# Altium PCB BananaBoard_PCB_4_LAYERS.PcbDoc (part 3 of 3)
Units mil, origin at the board's own origin, x right, y up, seen from the top; angles counter-clockwise.
Board outline 2710.63 x 4110.24 mil, 4 copper layers (ETCH_TOP, ETCH_2_GND, ETCH_3_POWER, ETCH_BOTTOM), stack 63.2 mil thick; 391 components, 164 nets, 1036 pads, 659 vias.
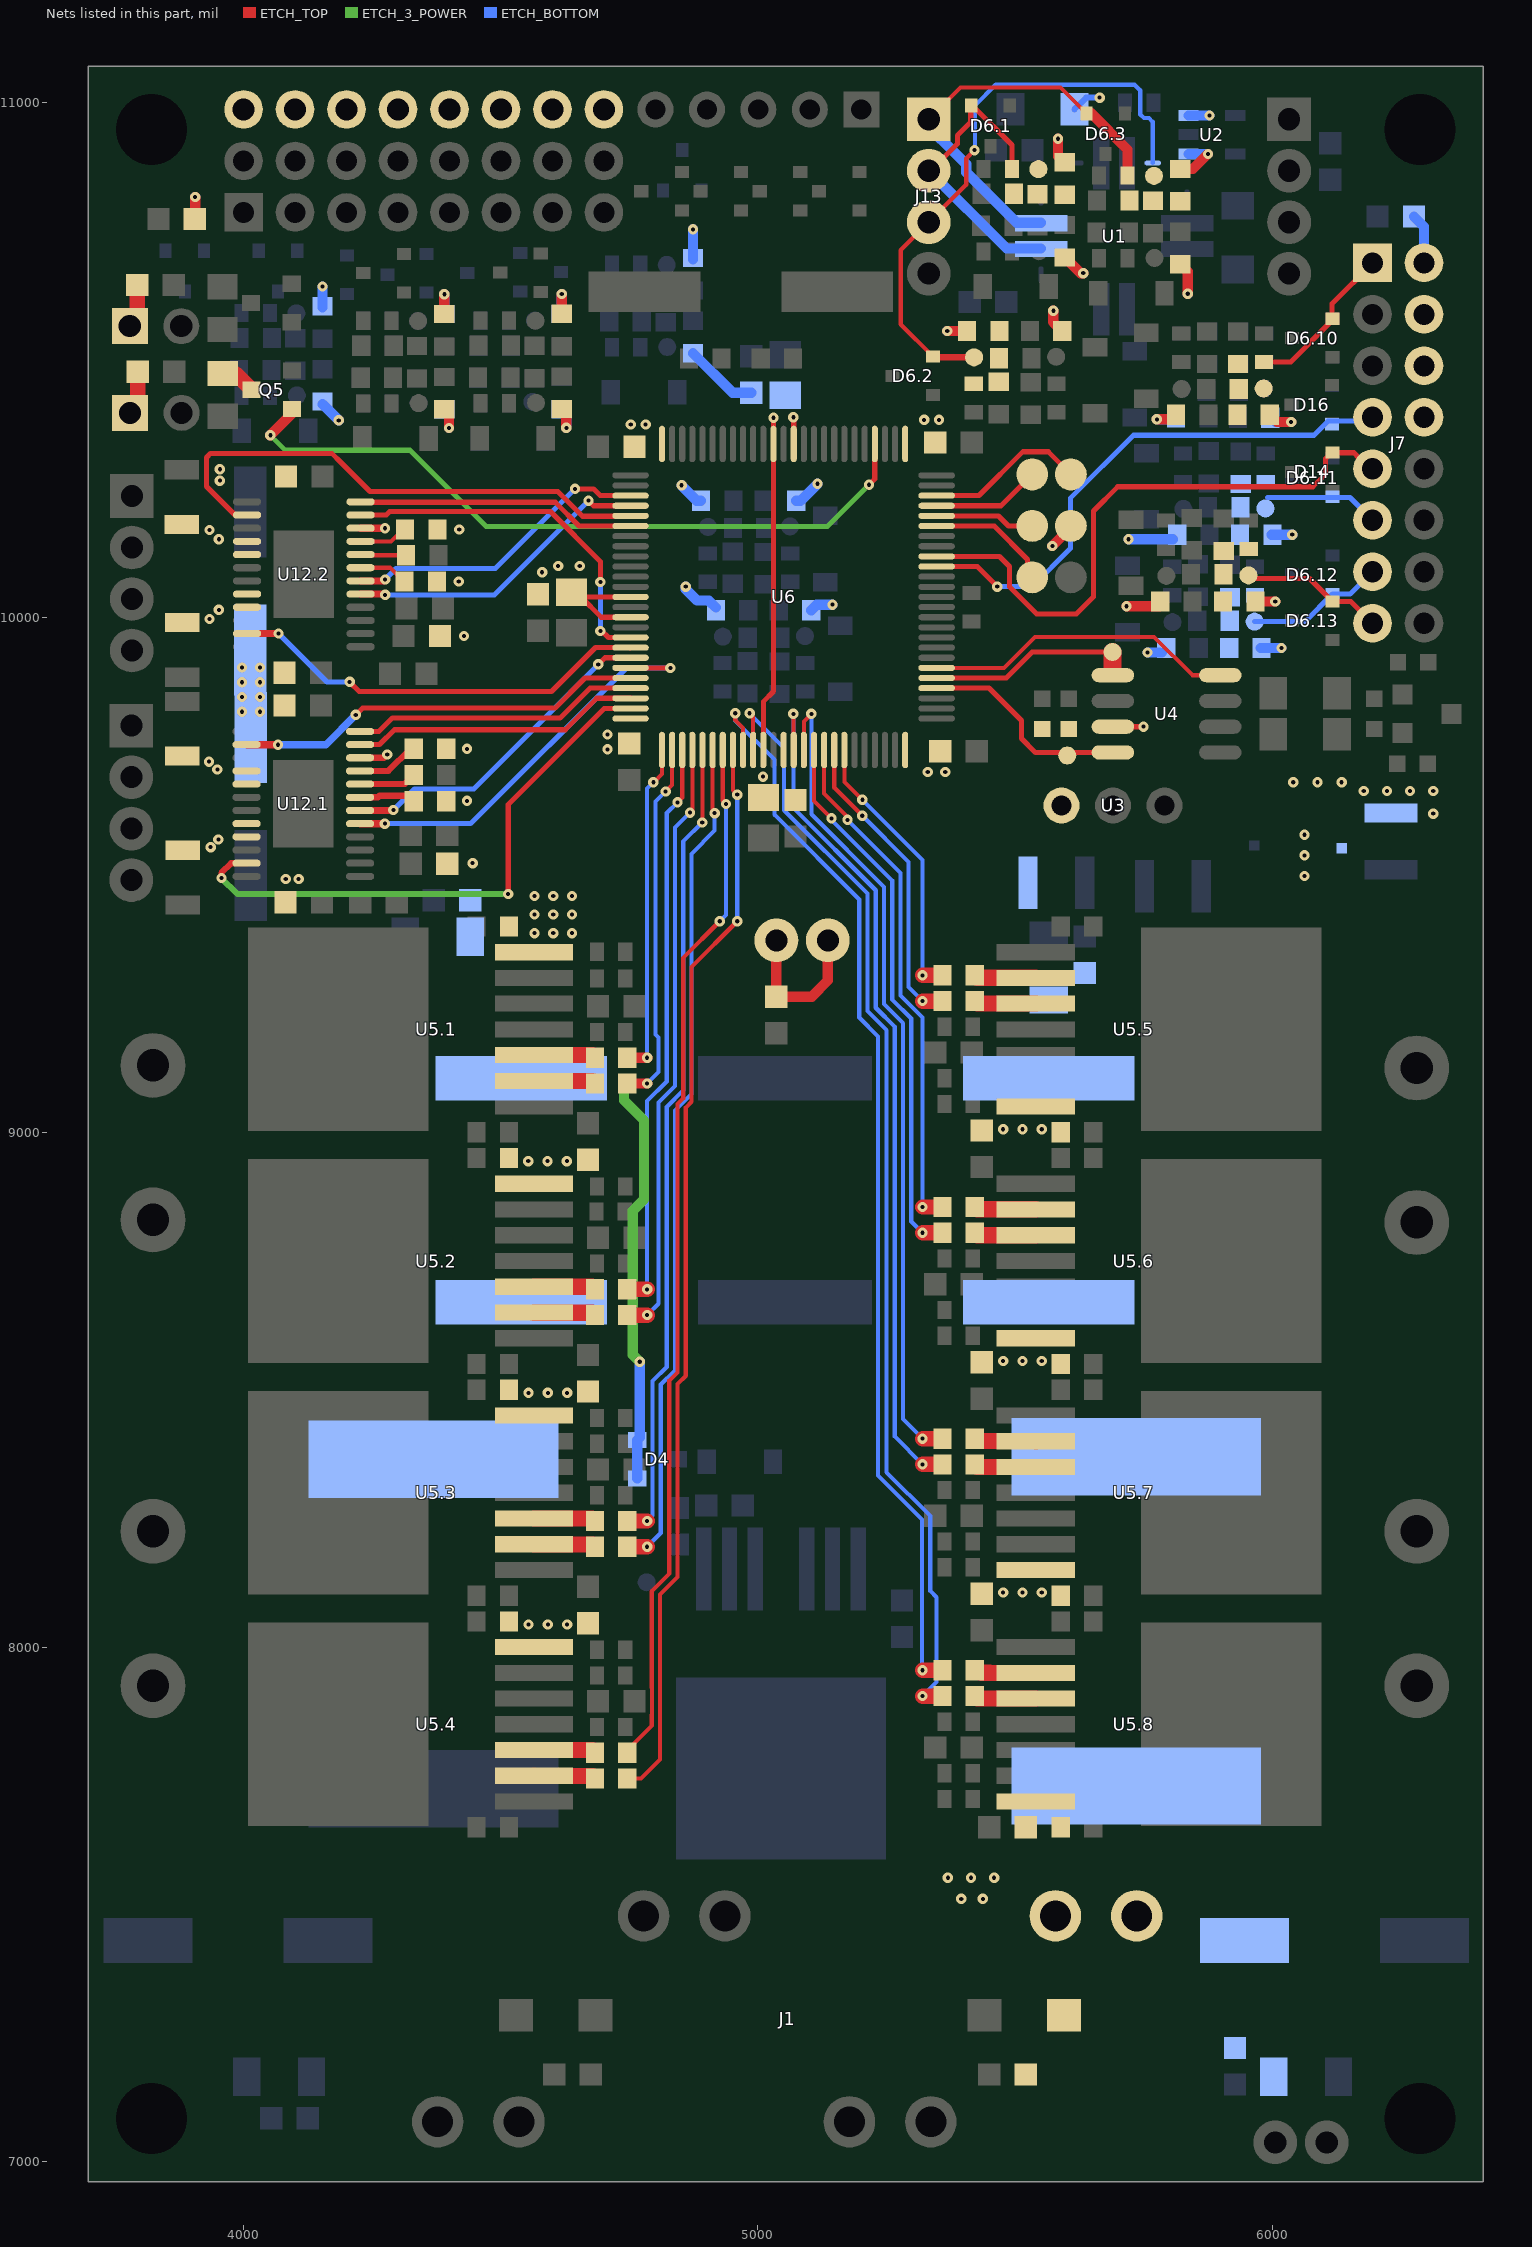
[diagram p5: the nets of this part, all layers, seen from the top]

## Via types
v1: diameter 20, hole 8, ETCH_TOP to ETCH_BOTTOM, 658 vias
v2: diameter 20, hole 8, ETCH_TOP to ETCH_BOTTOM, tented both sides, 1 vias

## Nets (pads, with @x,y where several pads share a name; then routed paths per layer and width w, separated by ;. In a path a pad name is that pad's centre, name@x,y a point inside that pad or via, vN(x,y) a via of type N, cw(c..) or ccw(c..) an arc to the next point about the centre after c; other vN are vias at no path point) (continued)
NetQ5_1: Q5.1 U6.29 | length 1422.3
  ETCH_TOP w10: v1(5216,10258) 5227.17,10269.17 U6.29@5227.17,10337.24
  ETCH_TOP w20: v1(4053,10354) 4095,10396 Q5.1@4095,10405.2
  ETCH_3_POWER w10: v1(4053,10354) 4082,10325 4324.54,10325 4472.54,10177 5135,10177 v1(5216,10258)
NetQ5_3: Q5.3 R15.1 | length 68.6
  ETCH_TOP w30: R15.1@3960.63,10473.94 3984.92,10473.94 Q5.3@4016.26,10442.6
NetR4.1_1: R4.1.1 U5.1.2 | length 113.3
  ETCH_TOP w31.5: U5.1.2@4565.16,9100 R4.1.1@4678.5,9100
NetR4.1_2: R4.1.2 U6.77 | length 711.3
  ETCH_TOP w8: v1(4820.81,9662.19) 4833.46,9674.84 U6.77@4833.46,9742.76
  ETCH_TOP w20: R4.1.2@4746.5,9095 v1(4785,9095)
  ETCH_BOTTOM w8: v1(4785,9095) 4807,9117 4807,9184 4801,9190 4801,9642.37 v1(4820.81,9662.19)
NetR4.2_1: R4.2.1 U5.2.2 | length 114.2
  ETCH_TOP w31.5: U5.2.2@4565.16,8650 4565.16,8649.57 R4.2.1@4678.94,8649.57
NetR4.2_2: R4.2.2 U6.79 | length 1172.6
  ETCH_TOP w8: v1(4868,9621) 4872.83,9625.83 U6.79@4872.83,9742.76
  ETCH_TOP w30: R4.2.2@4746.5,8645 v1(4785,8645)
  ETCH_BOTTOM w8: v1(4785,8645) 4807,8667 4807,9058 4839,9090 4839,9592 v1(4868,9621)
NetR4.3_1: R4.3.1 U5.3.2 | length 114.2
  ETCH_TOP w31.5: U5.3.2@4565.16,8200 4565.16,8199.57 R4.3.1@4678.94,8199.57
NetR4.3_2: R4.3.2 U6.81 | length 1642.7
  ETCH_TOP w8: U6.81@4912.2,9742.76 4912.2,9622.8 4915,9620 v1(4916,9620)
  ETCH_TOP w30: R4.3.2@4746.5,8195 v1(4785,8195)
  ETCH_BOTTOM w8: v1(4785,8195) 4811.35,8221.35 4811.35,8510.03 4839,8537.68 4839,9042.37 4871,9074.37 4871,9541 4916,9586 v1(4916,9620)
NetR4.4_1: R4.4.1 U5.4.2 | length 114.2
  ETCH_TOP w31.5: U5.4.2@4565.16,7750 4565.16,7749.57 R4.4.1@4678.94,7749.57
NetR4.4_2: R4.4.2 U6.83 | length 2105.3
  ETCH_TOP w8: R4.4.2@4746.5,7745 4773,7745 4810.09,7782.09 4810.09,7928.34 4810,7928.42 4810,8102.37 4844,8136.37 4844,8511.22 4860,8527.22 4860,9048.38 4871,9059.38 4871,9321 v1(4960,9410) ; U6.83@4951.57,9742.76 4951.57,9664.43 v1(4960,9656)
  ETCH_BOTTOM w8: v1(4960,9410) v1(4960,9656)
NetR4.5_1: R4.5.1 U5.5.2 | length 114.2
  ETCH_TOP w31.5: R4.5.1@5426.06,9300.43 5539.84,9300.43 U5.5.2@5539.84,9300
NetR4.5_2: R4.5.2 U6.94 | length 539.2
  ETCH_TOP w8: U6.94@5168.11,9742.76 5168.11,9680.89 v1(5203,9646)
  ETCH_TOP w30: v1(5320,9305) R4.5.2@5358.5,9305
  ETCH_BOTTOM w8: v1(5203,9646) 5320,9529 v1(5320,9305)
NetR4.6_1: R4.6.1 U5.6.2 | length 114.2
  ETCH_TOP w31.5: R4.6.1@5426.06,8850.43 5539.84,8850.43 U5.6.2@5539.84,8850
NetR4.6_2: R4.6.2 U6.92 | length 1005.5
  ETCH_TOP w8: U6.92@5128.74,9742.76 5128.74,9658.03 5174,9612.77 v1(5174,9607)
  ETCH_TOP w30: v1(5320,8855) R4.6.2@5358.5,8855
  ETCH_BOTTOM w8: v1(5174,9607) 5277,9504 5277,9266 5320,9223 v1(5320,8855)
NetR4.7_1: R4.7.1 U5.7.2 | length 114.2
  ETCH_TOP w31.5: R4.7.1@5426.06,8400.43 5539.84,8400.43 U5.7.2@5539.84,8400
NetR4.7_2: R4.7.2 U6.90 | length 1612.3
  ETCH_TOP w8: U6.90@5089.37,9742.76 5089.37,9798.37 v1(5104,9813)
  ETCH_TOP w30: v1(5320,8405) R4.7.2@5358.5,8405
  ETCH_BOTTOM w8: v1(5104,9813) 5104,9617.89 5245,9476.89 5245,9249 5282,9212 5282,8443 v1(5320,8405)
NetR4.8_1: R4.8.1 U5.8.2 | length 105.3
  ETCH_TOP w31.5: R4.8.1@5435,7950.43 5450.31,7950.43 5450.31,7950 U5.8.2@5539.84,7950
NetR4.8_2: R4.8.2 U6.84 | length 2125.8
  ETCH_TOP w8: v1(4956,9814) 4956,9801 4971.26,9785.74 U6.84@4971.26,9742.76
  ETCH_TOP w30: v1(5320,7955) R4.8.2@5358.5,7955
  ETCH_BOTTOM w8: v1(4956,9814) 4956,9800 5032,9724 5032,9617 5197,9452 5197,9223 5233.5,9186.5 5233.5,8333.5 5319,8248 5319,7956 v1(5320,7955)
NetR5.1_1: R5.1.1 U5.1.3 | length 113.3
  ETCH_TOP w31.5: U5.1.3@4565.16,9150 R5.1.1@4678.5,9150
NetR5.1_2: R5.1.2 U6.76 | length 648.8
  ETCH_TOP w8: v1(4797,9680) 4798,9680 4813.78,9695.78 U6.76@4813.78,9742.76
  ETCH_TOP w20: R5.1.2@4746.5,9145 v1(4785,9145)
  ETCH_BOTTOM w8: v1(4785,9145) 4785,9668 v1(4797,9680)
NetR5.2_1: R5.2.1 U5.2.3 | length 113.3
  ETCH_TOP w31.5: U5.2.3@4565.16,8700 R5.2.1@4678.5,8700
NetR5.2_2: R5.2.2 U6.78 | length 1114.5
  ETCH_TOP w8: v1(4844,9641) 4853.15,9650.15 U6.78@4853.15,9742.76
  ETCH_TOP w30: R5.2.2@4746.5,8695 v1(4785,8695)
  ETCH_BOTTOM w8: v1(4785,8695) 4785,9061 4823,9099 4823,9620 v1(4844,9641)
NetR5.3_1: R5.3.1 U5.3.3 | length 113.3
  ETCH_TOP w31.5: U5.3.3@4565.16,8250 R5.3.1@4678.5,8250
NetR5.3_2: R5.3.2 U6.80 | length 1580.8
  ETCH_TOP w8: v1(4892,9602) 4892.52,9602.52 U6.80@4892.52,9742.76
  ETCH_TOP w30: R5.3.2@4746.5,8245 v1(4785,8245)
  ETCH_BOTTOM w8: v1(4785,8245) 4795.35,8255.35 4795.35,8516.65 4823,8544.31 4823,9049 4855,9081 4855,9565 v1(4892,9602)
NetR5.4_1: R5.4.1 U5.4.3 | length 113.3
  ETCH_TOP w31.5: U5.4.3@4565.16,7800 R5.4.1@4678.5,7800
NetR5.4_2: R5.4.2 U6.82 | length 2029.7
  ETCH_TOP w8: R5.4.2@4746.5,7795 4746.5,7800.47 4794,7847.97 4794,7868.29 4794.09,7868.38 4794.09,7921.62 4794,7921.71 4794,8109 4828,8143 4828,8517.85 4844,8533.85 4844,9055.01 4855,9066.01 4855,9339 v1(4926,9410) ; U6.82@4931.89,9742.76 4931.89,9644.11 v1(4938,9638)
  ETCH_BOTTOM w8: v1(4926,9410) 4938,9422 v1(4938,9638)
NetR5.5_1: R5.5.1 U5.5.3 | length 113.3
  ETCH_TOP w31.5: R5.5.1@5426.5,9250 U5.5.3@5539.84,9250
NetR5.5_2: R5.5.2 U6.93 | length 597.3
  ETCH_TOP w8: U6.93@5148.43,9742.76 5148.43,9669.46 v1(5202.89,9615)
  ETCH_TOP w30: v1(5320,9255) R5.5.2@5358.5,9255
  ETCH_BOTTOM w8: v1(5202.89,9615) 5293,9524.89 5293,9282 v1(5320,9255)
NetR5.6_1: R5.6.1 U5.6.3 | length 120.4
  ETCH_TOP w31.5: R5.6.1@5421.5,8805 5426.5,8800 U5.6.3@5539.84,8800
NetR5.6_2: R5.6.2 U6.91 | length 1063.6
  ETCH_TOP w8: U6.91@5109.06,9742.76 5109.06,9643.94 v1(5143,9610)
  ETCH_TOP w30: v1(5320,8805) R5.6.2@5358.5,8805
  ETCH_BOTTOM w8: v1(5143,9610) 5143,9606.89 5261,9488.89 5261,9258 5298,9221 5298,8827 v1(5320,8805)
NetR5.7_1: R5.7.1 U5.7.3 | length 113.3
  ETCH_TOP w31.5: R5.7.1@5426.5,8350 U5.7.3@5539.84,8350
NetR5.7_2: R5.7.2 U6.89 | length 1671
  ETCH_TOP w8: v1(5069,9813) 5069,9743.44 U6.89@5069.69,9742.76
  ETCH_TOP w30: v1(5320,8355) R5.7.2@5358.5,8355
  ETCH_BOTTOM w8: v1(5069,9813) 5069,9630.26 5229,9470.26 5229,9242 5266,9205 5266,8409 v1(5320,8355)
NetR5.8_1: R5.8.1 U5.8.3 | length 113.3
  ETCH_TOP w31.5: R5.8.1@5426.5,7900 U5.8.3@5539.84,7900
NetR5.8_2: R5.8.2 U6.85 | length 2183.2
  ETCH_TOP w8: v1(4984,9814) 4990.94,9807.06 U6.85@4990.94,9742.76
  ETCH_TOP w30: v1(5320,7905) R5.8.2@5358.5,7905
  ETCH_BOTTOM w8: v1(4984,9814) 5051,9747 5051,9625.63 5213,9463.63 5213,9235.37 5250,9198.37 5250,8339.63 5335,8254.63 5335,8108.89 5347,8096.89 5347,7932 v1(5320,7905)
NetR23.1_2: R23.1.2 U12.1.7 | length 111
  ETCH_TOP w12: U12.1.7@4227.24,9650.8 4261.85,9650.8 4265.06,9654 4318.5,9654 R23.1.2@4331.5,9641
NetR23.2_2: R23.2.2 U12.2.7 | length 96.4
  ETCH_TOP w8: U12.2.7@4228.24,10096.8 4285.34,10096.8 4312.13,10070 R23.2.2@4313.5,10070
NetR24.1_2: R24.1.2 U12.1.9 | length 122.1
  ETCH_TOP w12: U12.1.9@4227.24,9701.98 4282.28,9701.98 4325.3,9745 R24.1.2@4331.5,9745
NetR24.2_2: R24.2.2 U12.2.9 | length 95.9
  ETCH_TOP w8: U12.2.9@4228.24,10147.98 4287.11,10147.98 ; 4287.29,10147.79 R24.2.2@4313.5,10174
NetR25.1_1: R25.1.1 U12.1.8 | length 111.7
  ETCH_TOP w12: U12.1.8@4227.24,9676.39 4227.24,9676.69 4314.19,9676.69 R25.1.1@4331.5,9694
NetR25.2_1: R25.2.1 U12.2.8 | length 84.9
  ETCH_TOP w8: U12.2.8@4229.62,10121 R25.2.1@4314.5,10121
NetR26.1_2: R26.1.2 U12.1.20
NetR26.2_2: R26.2.2 U12.2.20
NetR27.1_2: R27.1.2 U12.1.17
NetR27.2_2: R27.2.2 U12.2.17
NetTP2_1: TP2.1 U4.4 U6.4 | length 414.7
  ETCH_TOP w10: U6.4@5347.24,9863 5449,9863 5512,9800 5512,9765 5539,9738 5646,9738 U4.4@5689.67,9738
NetTP3_1: TP3.1 U4.1 U6.5 | length 411.8
  ETCH_TOP w10: U6.5@5347.24,9882.52 5482.52,9882.52 5533,9933 TP3.1@5689,9933 ; U4.1@5679,9888 U4.1@5689,9898
  ETCH_TOP w35: U4.1@5689,9898 TP3.1@5689,9933
NetU4_8: U4.8 U6.6 | length 606.9
  ETCH_TOP w8: U6.6@5347.24,9902.2 5478.16,9902.2 5538.46,9962.5 5769.5,9962.5 5844,9888 U4.8@5898.33,9888
NetU6_53: U6.53 U12.2.6 | length 600.1
  ETCH_TOP w10: v1(4645,10250) 4680.53,10250 4693.68,10236.85 U6.53@4752.76,10236.85
  ETCH_TOP w14: U12.2.6@4228.24,10071.2 v1@4273.2,10071.2
  ETCH_BOTTOM w10: v1(4276,10074) 4297,10095 4490,10095 v1(4645,10250)
NetU6_54: U6.54 U12.2.5 | length 602.8
  ETCH_TOP w10: v1(4671,10227) 4680.83,10217.17 U6.54@4752.76,10217.17
  ETCH_TOP w14: U12.2.5@4228.24,10045.61 v1@4274.39,10045.61
  ETCH_BOTTOM w10: v1(4276,10044) 4488,10044 v1(4671,10227)
NetU6_55: U6.55 U12.2.14 | length 1036.4
  ETCH_TOP w10: U12.2.14@4007.76,10199.16 3984.46,10199.16 3929,10254.62 3929,10311 3937,10319 4172.38,10319 4190,10301.38 4190,10301 4246.36,10244.64 4611.36,10244.64 4659.3,10196.7 4751.98,10196.7 U6.55@4752.76,10197.48
NetU6_56: U6.56 U12.2.12 | length 544
  ETCH_TOP w10: U12.2.12@4228.24,10224.75 4228.98,10224 4606.54,10224 4652.75,10177.8 U6.56@4752.76,10177.8
NetU6_67: U6.67 U12.2.11 | length 708
  ETCH_TOP w10: U12.2.11@4228.24,10199.16 4278.16,10199.16 4285,10206 4597,10206 4694,10109 v1(4694,10069) ; v1(4694,9974) 4696.68,9974 4709.68,9961 4752.5,9961 U6.67@4752.76,9961.26
  ETCH_BOTTOM w10: v1(4694,9974) v1(4694,10069)
NetU6_68: U6.68 U12.2.23 | length 828
  ETCH_TOP w10: v1(4207,9875) 4225.65,9856.35 4599.35,9856.35 4684.57,9941.57 U6.68@4752.76,9941.57 U6.68@4751.98,9940.8
  ETCH_TOP w14: U12.2.23@4007.76,9968.84 v1(4069,9968.84)
  ETCH_BOTTOM w10: v1(4069,9968.84) 4162.84,9875 v1(4207,9875)
NetU6_69: U6.69 U12.1.6 | length 648.4
  ETCH_TOP w10: v1(4690,9909) 4702.89,9921.89 U6.69@4752.76,9921.89
  ETCH_TOP w14: U12.1.6@4227.24,9625.2 4291.2,9625.2 v1(4292,9626)
  ETCH_BOTTOM w10: v1(4292,9626) 4333,9667 4448,9667 v1(4690,9909)
NetU6_70: U6.70 U12.1.5 | length 805.5
  ETCH_TOP w10: U6.70@4752.76,9902.2 4752.96,9902 v1(4830,9902)
  ETCH_TOP w14: U12.1.5@4227.24,9599.61 v1(4275.39,9599.61)
  ETCH_BOTTOM w10: v1(4275.39,9599.61) 4442,9599.61 4744.59,9902.2 4744.8,9902 v1(4830,9902)
NetU6_71: U6.71 U12.1.14 | length 799.7
  ETCH_TOP w10: v1(4219,9811) 4232,9824 4605.98,9824 4664.5,9882.52 U6.71@4752.76,9882.52
  ETCH_TOP w14: U12.1.14@4006.92,9753 v1(4068,9753) ; U12.1.14@4012.76,9753.16 U12.1.14@4012.92,9753
  ETCH_BOTTOM w14: v1(4068,9753) 4161,9753 v1(4219,9811)
NetU6_72: U6.72 U12.1.12 | length 560.3
  ETCH_TOP w10: U12.1.12@4227.24,9778.75 4263.75,9778.75 4290,9805 4616,9805 4673.83,9862.83 U6.72@4752.76,9862.83
NetU6_73: U6.73 U12.1.11 | length 562.8
  ETCH_TOP w10: U12.1.11@4227.24,9753.16 4265.16,9753.16 4294,9782 4626,9782 4687.15,9843.15 U6.73@4752.76,9843.15
NetU6_74: U6.74 U12.1.23 | length 1125.4
  ETCH_TOP w10: v1(4515,9463) 4515,9637 4701.46,9823.46 U6.74@4752.76,9823.46
  ETCH_TOP w12: v1(3958,9494) 3958,9504 3976.84,9522.84 U12.1.23@4006.76,9522.84
  ETCH_3_POWER w12: v1(3958,9494) 3989,9463 v1(4515,9463)
POS360_PWM: C52.10.2 D6.10.2 J7.1 R18.10.2 R20.10.1 R22.10.1 TP19.10.1 | length 342.6
  ETCH_TOP w10: C52.10.2@5983.01,10496.44 6035.05,10496.44 6116.37,10577.76 D6.10.2@6116.37,10589.4 ; D6.10.2@6115.5,10590.27 6115.5,10609.5 6194,10688 J7.1@6194,10689 6198,10693 J7.1@6198,10720
SSI_CLK: D16.2 J7.4 U6.16 | length 1073.4
  ETCH_TOP w10: U6.16@5347.24,10099.06 5426.2,10099.06 5465,10060.26 v1(5465,10060)
  ETCH_BOTTOM w10: v1(5465,10060) 5533,10060 5607,10134 5607,10231.68 5729.53,10354.21 6080.21,10354.21 6108,10382 6160,10382 J7.4@6198,10420
SSI_DIO: D14.2 J7.5 U6.17 | length 1203.4
  ETCH_TOP w10: U6.17@5347.24,10118.74 5469.26,10118.74 5489,10099 5489,10059.77 5541.77,10007 5618.53,10007 5652,10040.47 5652,10207 5699,10254 6078,10254 6103,10279 6103,10309 6114,10320 6158,10320 6167,10311 6167,10289 J7.5@6198,10320
SWDCK: TP9.1 U6.21 | length 193.8
  ETCH_TOP w10: U6.21@5347.24,10197.48 5467.69,10197.48 5487.17,10178 TP9.1@5533,10178
SWDIO: TP10.1 U6.20 | length 247.6
  ETCH_TOP w10: U6.20@5347.24,10177.8 5459.2,10177.8 5524,10113 5524,10078 TP10.1@5533,10078
SWDSWV: TP5.1 U6.23 | length 314.3
  ETCH_TOP w10: U6.23@5347.24,10236.85 5429.63,10236.85 5514.77,10322 5564,10322 TP5.1@5608,10278
U: C52.13.2 D6.13.2 J7.8 R18.13.2 R20.13.1 R22.13.1 TP19.13.1 | length 271
  ETCH_TOP w10: TP19.13.1@5959,10076 5972,10076 6071.77,10076 D6.13.2@6116.37,10031.4 6151.6,10031.4 J7.8@6194,9989
V: C52.12.2 D6.12.2 J7.7 R18.12.2 R20.12.1 R22.12.1 TP19.12.1 | length 269.2
  ETCH_BOTTOM w10: TP19.12.1@5965,9992 6062.77,9992 D6.12.2@6116.37,10045.6 6150.6,10045.6 J7.7@6194,10089
VCC: C5.1 C10.2 C15.1 C25.2 C26.2 C27.2 C28.2 C29.2 C30.2 C31.2 C32.2 C33.2 C34.2 C44.2 C47.2 C48.2 C60.2 J7.9 J7.10 J7.11 J7.12 J11.1 J11.2 J14.1 J14.2 J17.1 J17.2 J18.1 J18.2 L2.2 R3.2 R18.1.1 R18.2.1 R18.3.1 R18.6.1 R18.10.1 R18.11.1 R18.12.1 R18.13.1 R18.19.1 R18.20.1 R18.21.1 R18.22.1 R18.23.1 R18.24.1 R18.25.1 R18.26.1 R19.1.1 R19.2.1 R19.3.1 R19.6.1 R19.10.1 R19.11.1 R19.12.1 R19.13.1 R19.19.1 R19.20.1 R19.21.1 R19.22.1 R19.23.1 R19.24.1 R19.25.1 R19.26.1 R23.1.1 R23.2.1 R24.1.1 R24.2.1 TP6.1 U2.1 U2.3 U4.3 U6.26 U6.37 U6.39 U6.50 U6.63 U6.65 U6.75 U6.86 U6.88 U6.100 U8.1 U9.1 U12.1.10 U12.2.10 | length 3140.5
  ETCH_TOP w10: C29.2@4638,10049.37 C29.2@4646.37,10041 ; U6.65@4752.76,10000.63 4695.74,10000.63 4656.37,10040 U6.63@4752.76,10040 ; U6.86@5010.63,9742.76 5010.63,9836.63 5030.31,9856.32 U6.39@5030.31,10337.24 v1(5030.31,10388) ; U4.3@5689.67,9788 v1(5749,9788)
  ETCH_TOP w11: U6.37@5069.69,10337.24 v1@5069.69,10389
  ETCH_TOP w12: U12.1.10@4227.24,9727.57 4273.57,9727.57 v1(4280,9734)
  ETCH_TOP w14: U12.2.10@4228.24,10173.57 v1(4275.57,10173.57)
  ETCH_TOP w20: C44.2@3907,10774.57 v1(3907,10817) ; R18.23.1@4391,10588 v1(4391,10628) ; v1(4400,10368) R19.23.1@4400,10396.01 ; R18.21.1@4619,10588.5 v1(4619,10628.5) ; v1(4628,10368.5) R19.21.1@4628,10396.51 ; v1(5368,10556.5) R18.2.1@5408,10556.5 ; v1(5572,10139) 5608,10175 TP6.1@5608,10178 ; v1(5574,10596) 5574,10573.99 R19.2.1@5591.5,10556.5 ; v1(5583,10930) 5583,10896 R18.1.1@5596,10883 ; R19.1.1@5605,10691.01 5627.01,10669 v1(5632,10669) ; v1(5716,10022) R19.13.1@5780,10022 ; v1(5775,10385) R19.10.1@5803.01,10385 ; R19.3.1@5820.5,10686.5 5835,10672 v1(5835,10629) ; R18.3.1@5820.5,10871.5 5845.3,10871.5 v1(5874.4,10900.6) ; R18.13.1@5965,10031 v1(6005,10031) ; R18.10.1@5995,10394 6009,10380 v1(6036,10380)
  ETCH_TOP w30: U8.1@3780,10566 3794.57,10580.57 C47.2@3794.57,10646 ; U9.1@3780.63,10397.6 3795.2,10412.17 C48.2@3795.2,10477.6
  ETCH_BOTTOM w12: C5.1@5615,10987 5638,11010 v1(5664,11010)
  ETCH_BOTTOM w20: R19.24.1@4154.5,10414.5 v1(4186,10383) ; R18.24.1@4154.5,10603 v1(4154.5,10643) ; R18.22.1@4391,10588 v1(4391,10628) ; v1(4400,10368) R19.22.1@4400,10396.01 ; R18.20.1@4619,10588 v1@4619,10628 ; v1@4628,10368 R19.20.1@4628,10396.01 ; v1@4852,10256.4 4881.4,10227 R18.25.1@4889.5,10227 ; v1(4860,10060) 4860,10054.99 4881.99,10033 4905,10033 R18.26.1@4918.5,10019.5 ; R19.19.1@4874,10513.5 4950.94,10436.57 C34.2@4987,10436.57 ; R18.19.1@4874,10696 v1(4874,10754) ; R19.25.1@5074.5,10227 5083,10227 v1(5116,10260) ; R19.26.1@5103.5,10014 5114.5,10025 v1(5145,10025) ; v1(5720,10152) R19.11.1@5806.01,10152 ; v1(5757,9932) R19.12.1@5785.01,9932 ; v1(5775,10385) R19.6.1@5808,10385 ; U2.1@5836.72,10900.6 v1(5874.4,10900.6) ; U2.3@5836.72,10975.4 v1(5877.4,10975.4) ; R18.12.1@5977,9941 v1(6017,9941) ; R18.6.1@5992,10394 6006,10380 v1(6036,10380) ; R18.11.1@5998,10161 v1(6038,10161) ; C10.2@6274.43,10779 6294,10759.43 J7.9@6294,10689
  other v1: 6062,9498 6062,9538 6062,9578 6312,9619 4435,9644 6177,9663 6222,9663 6267,9663 6312,9663 6040,9680 6087,9680 6134,9680 5010,9691 5330,9700 5364,9700 4708,9744 4435,9745 4708,9773 4419,10070 4581,10088 4612,10100 4654,10100 4420,10171 4852,10257 4753,10375 4782,10375 5323,10384 5352,10384 5069,10389
VSUP: C2.2 C36.1.1 C37.1.2 C38.1.1 C41.2 C43.2 C53.1.2 C53.2.2 C54.1.1 C54.2.1 C55.1.2 C55.2.2 C56.1.2 C56.2.2 D4.1 D4.2 D9.2 J1.1 J8.1 J8.2 L1.1.1 U3.1 U12.1.16 U12.1.21 U12.2.16 U12.2.21 | length 1098
  ETCH_TOP w20: J8.2@5036,9373 C43.2@5036,9263.43 5104.43,9263.43 5136,9295 J8.1@5136,9373
  ETCH_3_POWER w20: 4740,9092 4740,9062 4779,9023 4779,8870 4757,8848 4757,8568 v1(4770.56,8554.44)
  ETCH_BOTTOM w20: D4.1@4765.63,8327.6 D4.2@4765.63,8402.4 4770.56,8407.33 v1(4770.56,8554.44)
  other v1: 4083,9492 4108,9492 4446,9523 3937,9554 3952,9569 3950,9705 3934,9720 3998,9817 4033,9817 3998,9845.67 4033,9845.67 3998,9874.33 4033,9874.33 3998,9903 4033,9903 4429,9964 3935,9997 3953,10015 3953,10152 3935,10170 3955,10266 3955,10288
VSUP_U_HalfBridge1: C16.1.2 C16.2.2 C16.3.2 C16.4.2 C17.1.2 C17.2.2 C17.4.2 C18.1.1 C18.2.1 C18.3.1 C18.4.1 C39.2.1 C40.2.2 L1.2.2 U5.1.7 U5.2.7 U5.3.7 U5.4.7
  other v1: 4554.5,8044 4592,8044 4629.5,8044 4554.5,8494 4592,8494 4629.5,8494 4554,8944 4591.5,8944 4629,8944 4566,9387 4602.5,9387 4639,9387 4566,9423 4602.5,9423 4639,9423 4566,9459 4602.5,9459 4639,9459
VSUP_U_HalfBridge5: C16.5.2 C16.6.2 C16.7.2 C16.8.2 C17.5.2 C17.6.2 C17.7.2 C17.8.2 C18.5.1 C18.6.1 C18.7.1 C18.8.1 C39.1.1 C40.1.2 L1.1.2 U5.5.7 U5.6.7 U5.7.7 U5.8.7
  other v1: 5395,7511 5437,7511 5369,7552 5414,7552 5459,7552 5476.5,8106 5514,8106 5551.5,8106 5476.5,8556 5514,8556 5551.5,8556 5476.5,9006 5514,9006 5551.5,9006
W: C52.11.2 D6.11.2 J7.6 R18.11.2 R20.11.1 R22.11.1 TP19.11.1 | length 222.2
  ETCH_BOTTOM w10: 5990,10233 6150,10233 J7.6@6194,10189
XACC: C52.3.2 D6.3.2 J13.1 R18.3.2 R20.3.1 R22.3.1 TP19.3.1 U1.13 | length 820.6
  ETCH_TOP w8: J13.1@5332,10968 5393.32,11029.32 5588.15,11029.32 D6.3.2@5638.1,10979.37
  ETCH_TOP w20: D6.3.2@5647.81,10979.37 5718.06,10909.12 C52.3.2@5718.06,10858.5
  ETCH_BOTTOM w20: J13.1@5332,10968 5332,10953 5356.5,10928.5 5357.06,10928.5 5405,10880.56 5405,10865 5503,10767 U1.13@5549.27,10767
XRES: TP8.1 U6.22 | length 211
  ETCH_TOP w10: U6.22@5347.24,10217.17 5472.17,10217.17 TP8.1@5533,10278
YACC: C52.1.2 D6.1.2 J13.2 R18.1.2 R20.1.1 R22.1.1 TP19.1.1 U1.12 | length 596.4
  ETCH_TOP w10: J13.2@5332,10868 5335.38,10868 5387.5,10920.12 5387.5,10936.5 5413.6,10962.6 D6.1.2@5413.6,10994.37 ; D6.1.2@5417.24,10994.37 5493.56,10918.05 C52.1.2@5493.56,10871.5
  ETCH_BOTTOM w20: J13.2@5332,10868 5483,10717 U1.12@5549.27,10717
ZACC: C52.2.2 D6.2.2 J13.3 R18.2.2 R20.2.1 R22.2.1 TP19.2.1 U1.2 | length 1152.9
  ETCH_TOP w8: D6.2.2@5341.77,10505.5 D6.2.2@5340.37,10506.9 5277.5,10569.77 5277.5,10713.5 J13.3@5332,10768 5404.79,10840.79 5404.79,10891.79 v1(5421,10908)
  ETCH_TOP w12: D6.2.2@5341.77,10505.5 TP19.2.1@5420,10505.5
  ETCH_BOTTOM w8: v1@5422.01,10908 5422.01,10994.99 5462.03,11035 5732,11035 5742.78,11024.22 5742.78,10977.31 5749.81,10970.28 5759.72,10970.28 5767,10963 U1.2@5767,10882.73
pads on no net: D6.1.3 D6.2.3 D6.3.3 D6.6.3 D6.10.3 D6.11.3 D6.12.3 D6.13.3 D6.19.3 D6.20.3 D6.21.3 D6.22.3 D6.23.3 D6.24.3 D6.25.3 D6.26.3 D10.3 D11.3 D12.3 D13.3 D14.3 D15.3 D16.3 J12.2 J12.3 U1.1 U1.9 U6.11 U6.35 U6.36 U6.40 U6.41 U6.57 U6.58 U6.59 U6.60 U6.61 U6.62

## Polygon pours and split planes (outlines as drawn)
GND on ETCH_2_GND "ETCH_2_GND-No Net" (solid, remove dead copper, pour order 11): 3698.87,6961.08 6409.5,6961.08 6409.5,11070.83 6409,11071.32 3698.87,11071.32 3698.87,6961.08
VSUP_U_HalfBridge5 on ETCH_3_POWER "ETCH_2_GND-No Net" (solid, remove dead copper, pour order 15): 5633,9059 5395,9059 5395,7950 5269,7824 5269,7596 5385,7480 5465,7480 5475,7490 5475,7600 5475,7816 5493,7834 5633,7834
VSUP on ETCH_3_POWER "ETCH_2_GND-No Net" (solid, remove dead copper, pour order 20): 5907,7407 5492,7407 5492,7512 5492,7812 5500,7820 5529,7820 5640,7820 5645,7825 5645,9072 4723.16,9072 4723,9485 4473,9485 4390,9485 4390,9481 3976.98,9481 3848,9481 3848,10296 4045,10296 4116,10296 4116,10177.04 4054.04,10177.04 4050.94,10177.04 4050.94,9990.96 4201,9991 4455,9991 4455,9890 4356,9890 4252,9786 4252,9587 4288.61,9587 5486,9587 5574,9675 5606,9675 5632,9649 5632,9417 5907,9417
VCC on ETCH_3_POWER "ETCH_2_GND-No Net" (solid, remove dead copper, pour order 19): 6409.5,11071.32 3698.87,11071.32 3698.87,10355.13 3699,10355 3748,10355 4200,10355 4200,10267 4200,10005 4266,10005 4470,10005 4470,9982 4470,9880 4470,9875 4410,9875 4367,9875 4355,9875 4265,9785 4265,9753 4265,9685 4345,9605 4430,9605 5485,9605 5570,9690 5599,9690 5606,9690 5803,9690 5857,9636 5896,9597 5896,9433 6160,9433 6409,9433 6409,11070.83 6409.5,11071.32
GND on ETCH_3_POWER "ETCH_2_GND-No Net" (solid, remove dead copper, pour order 17): 4930,8068 4930,8233 4948,8251 4948,8281 4948,8327 4948,8397 4917,8428 4883,8462 4883,8494 4883,8514 4883,9060 4939,9060 5222,9060 5222,9008 5222,8318 5302,8238 5302,8222 5302,8068
VSUP_U_HalfBridge1 on ETCH_3_POWER "ETCH_2_GND-No Net" (solid, remove dead copper, pour order 12): 4570,7975 4545,7975 4305,7975 4305,8620 4305,8735 4305,9235 4400,9330 4400,9410 4415,9425 4415,9475 4475,9475 4705,9475 4715,9475 4715,9165 4715,7975
GND on ETCH_BOTTOM "ETCH_2_GND-No Net" (solid, remove dead copper, pour order 18): 6002,10537 5806,10537 5768,10499 5708,10499 5701,10506 5701,10658 5701,10733 5775,10733 5884,10733 5906,10711 5971,10711 6050,10711 6075,10686 6116,10645 6131,10630 6131,10568 6002,10568
VSUP_U_HalfBridge1 on ETCH_BOTTOM "ETCH_2_GND-No Net" (solid, remove dead copper, pour order 13): 4570,7975 4545,7975 4035,7975 4035,8190 4035,8350 4245,8560 4305,8620 4305,8735 4305,9235 4400,9330 4400,9410 4415,9425 4415,9475 4475,9475 4705,9475 4715,9475 4715,9165 4715,7975
VSUP_U_HalfBridge5 on ETCH_BOTTOM "ETCH_2_GND-No Net" (solid, remove dead copper, pour order 14): 5655,9335 5400,9335 5395,9335 5395,9140 5395,7950 5269,7824 5269,7596 5385,7480 5465,7480 5475,7490 5475,7600 5475,7816 5493,7834 6070,7834 6070,8170 6070,8355 5815,8610 5770,8655 5770,8815 5770,9335
GND on ETCH_BOTTOM "ETCH_2_GND-No Net" (solid, remove dead copper, pour order 16): 3977,9410 3977,9588 4176,9588 4176,9514 4217,9473 4393,9473 4393,9429 4342,9378 4342,9342 4288,9342 4220,9410 3977,9410

## Keep-outs
Keep-Out Layer:
  circle w10: c3822,7084 r118.11
  circle w10: c6286,7084 r118.11
  circle w10: c6286,10948 r118.11
  circle w10: c3822,10948 r118.11
  lines w36: 3698.87,6961.08 3698.87,11071.32 6409.5,11071.32 6409.5,6961.08 3698.87,6961.08

## Other copper
ETCH_TOP:
  region net GND: 5616,9334 5335,9334 5335,9477 5399,9541 5495,9541 5495,9420 5616,9420
  region net GND: 5095,9599 4980,9599 4980,9522 4992,9510 5085,9510 5095,9520
  region net VCC: 5095,9623 4980,9623 4980,9681 5005,9706 5005,9774 5008,9777 5013,9777 5015,9775 5015,9707 5024,9698 5038,9698 5045,9705 5045,9774 5048,9777 5052,9777 5055,9774 5055,9708 5095,9668
  region net NetC52.21_2: 4502,10506.5 4502,10595.5 4574,10595.5 4586,10583.5 4586,10546.5 4639,10546.5 4639,10506.5
  region net POS360_PWM: 5913,10511 6002,10511 6002,10439 5990,10427 5953,10427 5953,10374 5913,10374
  region net NetC51.10_2: 5893,10374 5857,10374 5857,10414 5845,10426 5779,10426 5779,10406 5730,10406 5730,10442 5799,10511 5893,10511
  region net U: 5883,10148 5972,10148 5972,10076 5960,10064 5923,10064 5923,10011 5883,10011
  region net NetC51.13_2: 5863,10011 5827,10011 5827,10051 5815,10063 5749,10063 5749,10043 5701,10043 5701,10080 5769,10148 5863,10148
  region net ZACC: 5490,10439.5 5401,10439.5 5401,10511.5 5413,10523.5 5450,10523.5 5450,10576.5 5490,10576.5
  region net NetC51.2_2: 5510,10576.5 5546,10576.5 5546,10536.5 5558,10524.5 5624,10524.5 5624,10544.5 5672,10544.5 5672,10507.5 5604,10439.5 5510,10439.5
  region net YACC: 5479,10801 5479,10890 5551,10890 5563,10878 5563,10841 5616,10841 5616,10801
  region net NetC51.1_2: 5616,10781 5616,10745 5576,10745 5564,10733 5564,10667 5584,10667 5584,10619 5547,10619 5479,10687 5479,10781
  region net NetC16.4_1: 4360,8050 4360,7650 3730,7650 3730,8050
  region net NetC16.3_1: 4360,8500 4360,8100 3730,8100 3730,8500
  region net NetC16.2_1: 4360,8950 3730,8950 3730,8550 4360,8550
  region net NetC16.1_1: 4360,9400 3730,9400 3730,9000 4360,9000
  region net NetC16.8_1: 5745,8050 6380,8050 6380,7650 5745,7650
  region net NetC16.7_1: 5745,8500 6380,8500 6380,8100 5745,8100
  region net NetC16.6_1: 5745,8950 6380,8950 6380,8550 5745,8550
  region net NetC16.5_1: 5745,9400 6380,9400 6380,9000 5745,9000
  region net GND: 4911,10483 4911,10548 4918,10555 5017,10555 5024,10548 5024,10483
  region net VCC: 4697,9733 4772,9733 4772,9787 4787,9802 4787,9806 4784,9809 4723,9809 4697,9783
  region net VCC: 5282,9775 5284,9777 5288,9777 5303,9762 5377,9762 5377,9687 5306,9687 5282,9711
  region net VCC: 5281,10369 5308,10396 5362,10396 5367,10391 5367,10318 5304,10318 5289,10303 5284,10303 5281,10306
  region net VCC: 4748,10386 4801,10386 4819,10368 4819,10306 4816,10303 4811,10303 4804,10310 4738,10310 4738,10376
  region net VCC: 4551,10077 4588,10114 4661,10114 4669,10106 4669,10022 4551,10022
  region net GND: 5378,10065 5382,10061 5382,10018 5379,10015 5267,10015 5263,10019 5263,10060 5268,10065
  region net NetC51.23_2: 4411,10486 4411,10450 4371,10450 4359,10438 4359,10372 4379,10372 4379,10324 4342,10324 4274,10392 4274,10486
  region net NetC52.23_2: 4274,10506 4274,10595 4346,10595 4358,10583 4358,10546 4411,10546 4411,10506
  region net NetC51.21_2: 4639,10486.5 4639,10450.5 4599,10450.5 4587,10438.5 4587,10372.5 4607,10372.5 4607,10324.5 4570,10324.5 4502,10392.5 4502,10486.5
  region net NetC51.3_2: 5840.5,10768 5840.5,10732 5800.5,10732 5788.5,10720 5788.5,10654 5808.5,10654 5808.5,10606 5771.5,10606 5703.5,10674 5703.5,10768
  region net XACC: 5703.5,10788 5703.5,10877 5775.5,10877 5787.5,10865 5787.5,10828 5840.5,10828 5840.5,10788
  region net NetC13_1: 6187,9741 6214,9768 6214,9801 6172,9801 6152,9821 6152,9885 6068,9885 6068,9741
  region net VCC: 5536,9767 5759,9767 5759,9802 5536,9802
  region net GND: 5535,9859 5759,9859 5759,9824 5535,9824
  region net EXT_GND: 6319,9929 6367,9881 6367,9749 6318,9700 6285,9700 6285,9929
  region net EXT_GND: 4840,7946 5250,7946 5250,7586 5475,7361 5475,6991 4650,6991 4650,7436 4840,7626
  region net NetC1_2: 4635,6990 4635,7360 4100,7360 4100,6990
  region net VSUP: 5550,7540 6075,7540 6075,7125 5890,7125 5890,6990 5495,6990 5495,7485
  region net NetC16.2_1: 4472,8530 4472,8570 4350,8570 4330,8550 4350,8530
  region net NetC16.3_1: 4472,8480 4472,8520 4350,8520 4330,8500 4350,8480
  region net NetC16.3_1: 4472,8080 4472,8120 4350,8120 4330,8100 4350,8080
  region net NetC16.4_1: 4472,8030 4472,8070 4350,8070 4330,8050 4350,8030
  region net NetC16.4_1: 4472,7630 4472,7670 4350,7670 4330,7650 4350,7630
  region net NetC16.2_1: 4472,8930 4472,8970 4350,8970 4330,8950 4350,8930
  region net NetC16.1_1: 4472,8980 4472,9020 4350,9020 4330,9000 4350,8980
  region net NetC16.1_1: 4472,9380 4472,9420 4350,9420 4330,9400 4350,9380
  region net NetC16.5_1: 5633,9420 5633,9380 5755,9380 5775,9400 5755,9420
  region net NetC16.5_1: 5633,9020 5633,8980 5755,8980 5775,9000 5755,9020
  region net NetC16.6_1: 5633,8970 5633,8930 5755,8930 5775,8950 5755,8970
  region net NetC16.6_1: 5633,8570 5633,8530 5755,8530 5775,8550 5755,8570
  region net NetC16.7_1: 5633,8520 5633,8480 5755,8480 5775,8500 5755,8520
  region net NetC16.7_1: 5633,8120 5633,8080 5755,8080 5775,8100 5755,8120
  region net NetC16.8_1: 5633,8070 5633,8030 5755,8030 5775,8050 5755,8070
  region net NetC16.8_1: 5633,7670 5633,7630 5755,7630 5775,7650 5755,7670
  region net GND: 4498,8980 4573,8980 4588,8995 4692,8995 4692,9046 4672,9066 4489,9066 4489,9030 4498,9021
  region net GND: 4498,8530 4573,8530 4588,8545 4692,8545 4692,8596 4672,8616 4489,8616 4489,8580 4498,8571
  region net GND: 4498,8080 4573,8080 4588,8095 4692,8095 4692,8146 4672,8166 4489,8166 4489,8130 4498,8121
  region net GND: 5607,8070 5532,8070 5517,8055 5413,8055 5413,8004 5433,7984 5616,7984 5616,8020 5607,8029
  region net GND: 5607,8520 5532,8520 5517,8505 5413,8505 5413,8454 5433,8434 5616,8434 5616,8470 5607,8479
  region net GND: 5607,8970 5532,8970 5517,8955 5413,8955 5413,8904 5433,8884 5616,8884 5616,8920 5607,8929
  region net VSUP_U_HalfBridge1: 4498,8970 4638,8970 4692,8970 4692,8924 4650,8924 4650,8893 4641,8884 4489,8884 4489,8916 4498,8925
  region net VSUP_U_HalfBridge1: 4498.5,8520 4638.5,8520 4692.5,8520 4692.5,8474 4650.5,8474 4650.5,8443 4641.5,8434 4489.5,8434 4489.5,8466 4498.5,8475
  region net VSUP_U_HalfBridge1: 4498.5,8070 4638.5,8070 4692.5,8070 4692.5,8024 4650.5,8024 4650.5,7993 4641.5,7984 4489.5,7984 4489.5,8016 4498.5,8025
  region net VSUP_U_HalfBridge5: 5607.5,8080 5467.5,8080 5413.5,8080 5413.5,8126 5455.5,8126 5455.5,8157 5464.5,8166 5616.5,8166 5616.5,8134 5607.5,8125
  region net VSUP_U_HalfBridge5: 5607.5,8530 5467.5,8530 5413.5,8530 5413.5,8576 5455.5,8576 5455.5,8607 5464.5,8616 5616.5,8616 5616.5,8584 5607.5,8575
  region net VSUP_U_HalfBridge5: 5607.5,8980 5467.5,8980 5413.5,8980 5413.5,9026 5455.5,9026 5455.5,9057 5464.5,9066 5616.5,9066 5616.5,9034 5607.5,9025
  region net VSUP_U_HalfBridge1: 4489,9334 4642,9334 4657,9349 4657,9475 4553,9475 4489,9411
  region net GND: 4489,7716 4819,7716 4819,7630 4695,7506 4489,7506
  region net GND: 5472,7672 5427,7672 5427,7657 5393,7623 5374,7623 5362,7611 5362,7600 5369,7593 5438,7593 5472,7627
  region net VSUP_U_HalfBridge5: 5616,7716 5464,7716 5464,7684 5492,7684 5498,7678 5498,7628 5445,7575 5330,7575 5330,7535 5385,7480 5465,7480 5544,7559 5572,7559 5616,7603
  region net NetR27.2_2: 3847,10200 3915,10200 3915,10149 3934,10130 4031,10130 4036,10125 4036,10120 4031,10115 3924,10115 3877,10162 3847,10162
  region net NetJ10_2: 3730,10180 3730,10089 4031,10089 4031,10092 4033,10094 4036,10094 4036,10100 4032,10104 3916,10104 3870,10150 3840,10150 3810,10180
  region net NetR26.2_2: 4031,10053 4036,10048 4036,10043 4031,10038 3945,10038 3916,10009 3916,9971 3848,9971 3848,10010 3880,10010 3923,10053
  region net NetJ10_3: 4031,10079 4036,10074 4036,10069 4031,10064 3918,10064 3875,10021 3844,10021 3813,9990 3730,9990 3730,10079
  region net NetJ10_4: 4031,10002 4036,9997 4036,9992 4031,9987 3975,9987 3900,9912 3844,9912 3821,9889 3730,9889 3730,9980 3822,9980 3842,9960 3931,9960 3973,10002
  region net NetJ9_2: 3730,9734 3730,9643 4030,9643 4035,9648 4035,9654 4030,9659 3916,9659 3874,9701 3841,9701 3808,9734
  region net NetR27.1_2: 3848,9750 3915,9750 3915,9705 3937,9683 4031,9683 4035,9679 4035,9674 4031,9670 3920,9670 3878,9712 3848,9712
  region net NetJ9_3: 4030,9633 4035,9628 4035,9623 4030,9618 3917,9618 3876,9577 3846,9577 3813,9544 3730,9544 3730,9633
  region net NetR26.1_2: 4030,9607 4035,9602 4035,9597 4030,9592 3942,9592 3917,9567 3917,9529 3849,9529 3849,9568 3881,9568 3920,9607
  region net NetJ9_4: 4030,9556 4035,9551 4035,9546 4030,9541 3974,9541 3905,9472 3846,9472 3817,9443 3730,9443 3730,9534 3826,9534 3846,9514 3925,9514 3967,9556
  region net GND: 3979,9500 3984,9505 4037,9505 4058,9526 4058,9587 4175,9587 4176,9588 4176,9424 4131,9424 4131,9516 4077,9516 4051,9490 3983,9490 3979,9494
  region net VSUP: 4031,9581 4035,9577 4035,9571 4031,9567 3964,9567 3940,9543 3932,9543 3926,9549 3926,9562 3945,9581
  region net VSUP: 4032,10155 4036,10151 4036,10145 4032,10141 3937,10141 3924,10154 3924,10176 3928,10180 3939,10180 3964,10155
  region net VSUP: 4032,10027 4036,10023 4036,10017 4032,10013 3967,10013 3938,9984 3931,9984 3925,9990 3925,10006 3946,10027
  region net VSUP: 4060,9425 4060,9486 4081,9507 4119,9507 4119,9425
  region net GND: 3984,9786 4108,9786 4129,9807 4129,9851 4176,9851 4176,9691 4089,9691 4089,9765 4083,9771 3984,9771 3979,9776 3979,9781
  region net GND: 3848,9903 3938,9903 3945,9896 3945,9825 3938,9818 3848,9818
  region net VSUP: 4103,9915 4103,9807 3977,9807 3977,9915
  region net GND: 4108,9936 4129,9915 4129,9871 4177,9871 4177,10042 4088,10042 4088,9958 4080,9950 3984,9950 3980,9946 3980,9940 3984,9936
  region net GND: 3849,9461 3926,9461 3933,9468 3943,9468 3948,9463 3948,9423 3943,9418 3933,9418 3928,9423 3849,9423
  region net VSUP: 3954,10252 4106,10252 4106,10298 3950,10298 3945,10293 3945,10261
  region net GND: 4112,10232 4132,10252 4132,10296 4177,10296 4177,10135 4059,10135 4059,10200 4041,10218 3984,10218 3980,10222 3980,10228 3984,10232
  region net GND: 3847,10268 3915,10268 3915,10316 3921,10322 3921,10332 3916,10337 3845,10337 3840,10332 3840,10322 3847,10315
  region net VSUP: 4360,9986 4423,9986 4439,9970 4439,9958 4423,9942 4360,9942
  region net GND: 4366,10040 4428,10040 4444,10024 4444,10012 4428,9996 4366,9996
  region net VCC: 4358,10090 4415,10090 4429,10076 4429,10064 4415,10050 4358,10050
  region net GND: 4361,10141 4418,10141 4432,10127 4432,10115 4418,10101 4361,10101
  region net VCC: 4359,10191 4416,10191 4430,10177 4430,10165 4416,10151 4359,10151
  region net NetC23_2: 5263,10673 5045,10673 5045,10483 5153,10483 5263,10593
  region net NetC24_2: 4889,10673 4889,10483 4781,10483 4671,10593 4671,10673
  region net VSUP: 4374,9544 4441,9544 4456,9529 4456,9517 4439,9500 4374,9500
  region net GND: 4374,9600 4374,9556 4449,9556 4465,9572 4465,9584 4449,9600
  region net VCC: 4376,9623 4376,9663 4432,9663 4445,9650 4445,9638 4430,9623
  region net GND: 4376,9714 4376,9674 4432,9674 4446,9688 4446,9700 4432,9714
  region net VCC: 4376,9725 4376,9765 4431,9765 4445,9751 4445,9739 4431,9725
  region net VSUP: 4031,9709 4035,9705 4035,9699 4031,9695 3940,9695 3924,9711 3924,9726 3929,9731 3938,9731 3960,9709
  region net NetJ9_1: 4030,9735 3969,9735 3895,9809 3838,9809 3826,9821 3826,9832 3819,9839 3730,9839 3730,9744 3827,9744 3843,9760 3923,9760 3963,9720 4030,9720 4035,9725 4035,9730
  region net NetJ10_1: 4031,10181 3970,10181 3894,10257 3836,10257 3827,10266 3827,10279 3821,10285 3730,10285 3730,10192 3826,10192 3844,10210 3923,10210 3967,10166 4031,10166 4036,10171 4036,10176
ETCH_2_GND:
  region net NetC16.3_1: 4010,8500 4010,8100 3730,8100 3730,8500
  region net NetC16.2_1: 4010,8950 4010,8550 3730,8550 3730,8950
  region net NetC16.1_1: 4010,9400 4010,9000 3730,9000 3730,9400
  region net NetC16.6_1: 6095,8950 6380,8950 6380,8550 6095,8550
  region net NetC16.7_1: 6095,8500 6380,8500 6380,8100 6095,8100
  region net NetC16.8_1: 6095,8050 6380,8050 6380,7650 6095,7650
  region net NetC16.4_1: 4010,8050 3730,8050 3730,7650 4010,7650
  region net NetC16.5_1: 6095,9000 6380,9000 6380,9400 6095,9400
  region net EXT_GND: 4840,7946 5250,7946 5250,7586 5475,7361 5475,6991 4650,6991 4650,7436 4840,7626
ETCH_3_POWER:
  region net NetC16.4_1: 4010,8050 3730,8050 3730,7650 4010,7650
  region net NetC16.3_1: 4010,8500 4010,8100 3730,8100 3730,8500
  region net NetC16.2_1: 4010,8950 4010,8550 3730,8550 3730,8950
  region net NetC16.1_1: 4010,9400 4010,9000 3730,9000 3730,9400
  region net NetC16.5_1: 6095,9000 6380,9000 6380,9400 6095,9400
  region net NetC16.6_1: 6095,8950 6380,8950 6380,8550 6095,8550
  region net NetC16.7_1: 6095,8500 6380,8500 6380,8100 6095,8100
  region net NetC16.8_1: 6095,8050 6380,8050 6380,7650 6095,7650
  region net EXT_GND: 4800,7586 5250,7586 5475,7361 5475,6991 4650,6991 4650,7436
ETCH_BOTTOM:
  region net NetC52.26_2: 5002,9897 4913,9897 4913,9969 4925,9981 4962,9981 4962,10034 5002,10034
  region net NetC51.26_2: 5022,10034 5058,10034 5058,9994 5070,9982 5136,9982 5136,10002 5184,10002 5184,9965 5116,9897 5022,9897
  region net NetC52.25_2: 4973,10110 4884,10110 4884,10182 4896,10194 4933,10194 4933,10247 4973,10247
  region net NetC51.25_2: 4993,10247 5029,10247 5029,10207 5041,10195 5107,10195 5107,10215 5155,10215 5155,10178 5087,10110 4993,10110
  region net GND: 5221,9149 4883,9149 4883,8462 4948,8397 4948,8251 4930,8233 4930,8068 5302,8068 5302,8238 5221,8319
  region net GND: 6082,8714 5908,8714 5908,8549 5942,8515 6046,8515 6082,8551
  region net GND: 6082,9149 5908,9149 5908,8985 5928,8965 6044,8965 6082,9003
  region net GND: 6170,9585 6335,9585 6335,9475 6310,9450 6170,9450
  region net VCC: 6030,9433 6030,9690 6307,9690 6334,9663 6334,9596 6160,9596 6160,9433
  region net NetC59_2: 5770,9675 5750,9655 5750,9596 5830,9516 5830,9425 6020,9425 6020,9675
  region net VSUP: 5606,9675 5575,9675 5506,9606 5506,9433 5577,9433 5577,9537 5630,9590 5630,9651
  region net GND: 5710,9675 5670,9675 5650,9655 5650,9588 5610,9548 5610,9425 5602,9417 5532,9417 5525,9410 5525,9356 5528,9353 5759,9353 5775,9369 5775,9543 5730,9588 5730,9655
  region net V: 5895,10058 5984,10058 5984,9986 5972,9974 5935,9974 5935,9921 5895,9921
  region net NetC51.11_2: 5896,10141 5860,10141 5860,10181 5848,10193 5782,10193 5782,10173 5734,10173 5734,10210 5802,10278 5896,10278
  region net W: 5916,10278 6005,10278 6005,10206 5993,10194 5956,10194 5956,10141 5916,10141
  region net DIRECTION: 5913,10511 6002,10511 6002,10439 5990,10427 5953,10427 5953,10374 5913,10374
  region net NetC51.6_2: 5894,10374 5857,10374 5857,10414 5845,10426 5756,10426 5756,10370 5707,10370 5707,10419 5799,10511 5894,10511
  region net NetC16.4_1: 4010,8050 3730,8050 3730,7650 4010,7650
  region net NetC16.3_1: 4010,8500 4010,8100 3730,8100 3730,8500
  region net NetC16.2_1: 4010,8950 4010,8550 3730,8550 3730,8950
  region net NetC16.1_1: 4010,9400 4010,9000 3730,9000 3730,9400
  region net NetC16.5_1: 6095,9000 6380,9000 6380,9400 6095,9400
  region net NetC16.6_1: 6095,8950 6380,8950 6380,8550 6095,8550
  region net NetC16.7_1: 6095,8500 6380,8500 6380,8100 6095,8100
  region net NetC16.8_1: 6095,8050 6380,8050 6380,7650 6095,7650
  region net +3V3: 6134,10899 6134,10956 6077,11013 5987,11013 5962,10988 5962,10943 5947,10928 5917,10928 5897,10908 5897,10796 5884,10783 5781,10783 5781,10751 5945,10751 5977,10783 5977,10913 5989,10925 6064,10925 6090,10899
  region net GND: 5781,10733 5781,10667 5799,10649 5963,10649 5987,10625 6050,10625 6075,10650 6075,10686 6050,10711 5971,10711 5963,10703 5914,10703 5884,10733
  region net EXT_GND: 4840,7946 5250,7946 5250,7586 5475,7361 5475,6991 4650,6991 4650,7436 4840,7626
  region net VSUP: 5492,6990 5700,6990 5890,6990 5890,7180 5905,7195 5960,7195 5975,7180 5975,7125 6035,7125 6035,7195 6075,7235 6075,7808.04 5492,7808.04
  region net GND: 5905,7173 5949,7173 5949,7122 5956,7115 5956,7100 5950,7094 5906,7094 5899,7101 5899,7115 5905,7121
  region net GND: 6095,7630 6380,7630 6380,7224 6229,7224 6133,7128 6095,7128
  region net EXT_GND: 5305,8045 5305,7990 5250,7935 5125,7935 5125,7945 5225,8045
  region net NetC1_2: 4635,6990 4635,7805 4035,7805 4035,7325 4100,7260 4100,6990
  region net GND: 3730,7630 4015,7630 4015,7325 4080,7260 4080,6990 3957,6990 3957,7147 3730,7374
  region net GND: 5728,11018 5699,11018 5660,10979 5660,10961 5611,10912 5560,10912 5560,11019 5463,11019 5463,10956 5473,10946 5494,10946 5512,10928 5512,10886 5562.5,10886 5616.75,10831.75 5683.75,10831.75 5684,10939 5728,10983
  region net GND: 4023,8714 4250,8714 4250,8584 4181,8515 4023,8515
  region net GND: 4023,9149 4246,9149 4246,8985 4226,8965 4042,8965 4023,8984
  region net GND: 3976,10294 4177,10294 4177,10116 3976,10116
  region net NetC51.19_2: 4894,10595 4894,10558 4854,10558 4842,10546 4842,10481 4862,10481 4862,10432 4825,10432 4757,10500 4757,10595
  region net NetC52.19_2: 4757,10614 4757,10703 4829,10703 4841,10691 4841,10654 4894,10654 4894,10614
  region net GND: 4960,10484 5083,10484 5083,10535 5063,10555 4917,10555 4911,10549 4911,10533
  region net VCC: 5084,10376 5084,10460 4965,10460 4965,10415 4974,10406 4981,10406 5011,10376
  region net NetC52.20_2: 4502,10506 4502,10595 4574,10595 4586,10583 4586,10546 4639,10546 4639,10506
  region net NetC51.20_2: 4639,10486 4639,10450 4599,10450 4587,10438 4587,10372 4607,10372 4607,10324 4570,10324 4502,10392 4502,10486
  region net NetC51.22_2: 4411,10486 4411,10450 4371,10450 4359,10438 4359,10372 4379,10372 4379,10324 4342,10324 4274,10392 4274,10486
  region net NetC52.22_2: 4274,10506 4274,10595 4346,10595 4358,10583 4358,10546 4411,10546 4411,10506
  region net NetC52.24_2: 4037.5,10521 4037.5,10610 4109.5,10610 4121.5,10598 4121.5,10561 4174.5,10561 4174.5,10521
  region net NetC51.24_2: 4174.5,10501 4174.5,10465 4134.5,10465 4122.5,10453 4122.5,10387 4142.5,10387 4142.5,10339 4105.5,10339 4037.5,10407 4037.5,10501
  region net NetC51.12_2: 5875,9921 5839,9921 5839,9961 5827,9973 5761,9973 5761,9953 5713,9953 5713,9990 5781,10058 5875,10058

## Silkscreen, mask and mechanical layers (free items; w line width, h text height)
Top Overlay:
  circle w10: c3822,7084 r118.11
  circle w10: c6286,7084 r118.11
  circle w10: c6286,10948 r118.11
  circle w10: c3822,10948 r118.11
Bottom Overlay:
  circle w10: c6286,7084 r118.11
  circle w10: c6286,10948 r118.11
  circle w10: c3822,10948 r118.11
  circle w10: c3822,7084 r118.11
Mechanical 1:
  the board outline again, w0.5

## Text inside footprints (layer, text, board x,y; h text height)
C5: Mechanical 4 "1" at 5625,10987 h25 r270; Mechanical 4 "2" at 5501,10987 h25 r270
C6: Mechanical 4 "1" at 5932,10810 h25; Mechanical 4 "2" at 5932,10686 h25
C12: Mechanical 4 "1" at 6235,9902 h25; Mechanical 4 "2" at 6292,9901 h25
C13: Mechanical 4 "1" at 6208,9775 h25 r90; Mechanical 4 "2" at 6209,9832 h25 r90
C14: Mechanical 4 "1" at 6310,9727 h25 r180; Mechanical 4 "2" at 6253,9728 h25 r180
C15: Mechanical 4 "1" at 5615,9775 h25 r90; Mechanical 4 "2" at 5616,9832 h25 r90
C18.1: Mechanical 4 "1" at 4450,9105 h25 r180; Mechanical 4 "2" at 4100,9105 h25 r180
C18.2: Mechanical 4 "1" at 4450,8670 h25 r180; Mechanical 4 "2" at 4100,8670 h25 r180
C18.3: Mechanical 4 "1" at 4630,8670 h25; Mechanical 4 "2" at 4980,8670 h25
C18.4: Mechanical 4 "1" at 4630,9105 h25; Mechanical 4 "2" at 4980,9105 h25
C18.5: Mechanical 4 "1" at 5475,8670 h25 r180; Mechanical 4 "2" at 5125,8670 h25 r180
C18.6: Mechanical 4 "1" at 5655,9105 h25; Mechanical 4 "2" at 6005,9105 h25
C18.7: Mechanical 4 "1" at 5655,8670 h25; Mechanical 4 "2" at 6005,8670 h25
C18.8: Mechanical 4 "1" at 5475,9105 h25 r180; Mechanical 4 "2" at 5125,9105 h25 r180
C38.1: Mechanical 4 "1" at 5955,7430 h25; Mechanical 4 "2" at 6305,7430 h25
C38.2: Mechanical 4 "1" at 4155,7430 h25 r180; Mechanical 4 "2" at 3805,7430 h25 r180
C54.1: Mechanical 4 "2" at 4015,9489 h25 r180; Mechanical 4 "1" at 4015,9757 h25
C54.2: Mechanical 4 "2" at 4013.76,10215.2 h25; Mechanical 4 "1" at 4013.76,9947.2 h25 r180
D1: Mechanical 4 "1" at 6252.5,9860.5 h25 r270; Mechanical 4 "2" at 6252.5,9785.5 h25 r270; Mechanical 4 "3" at 6347.5,9823 h25 r270
D3: Mechanical 4 "2" at 4540,7285 h25 r180; Mechanical 4 "1" at 4695,7285 h25 r180
D9: Mechanical 4 "2" at 5585,7285 h25; Mechanical 4 "1" at 5430,7285 h25
J7: Mechanical 4 "9" at 6304,10289 h25; Mechanical 4 "8" at 6204,10389 h25; Mechanical 4 "7" at 6304,10389 h25; Mechanical 4 "6" at 6204,10489 h25; Mechanical 4 "5" at 6304,10489 h25; Mechanical 4 "4" at 6204,10589 h25; Mechanical 4 "3" at 6304,10589 h25; Mechanical 4 "2" at 6204,10689 h25; Mechanical 4 "16" at 6214,9989 h25; Mechanical 4 "15" at 6314,9989 h25; Mechanical 4 "14" at 6214,10089 h25; Mechanical 4 "13" at 6314,10089 h25; Mechanical 4 "12" at 6214,10189 h25; Mechanical 4 "11" at 6314,10189 h25; Mechanical 4 "10" at 6214,10289 h25; Mechanical 4 "1" at 6304,10689 h25; Bottom Overlay "1" at 6160,10751 h20; Bottom Overlay "9" at 6333,10753 h20
J8: Mechanical 4 "1" at 5146,9373 h25; Mechanical 4 "2" at 5046,9373 h25; Bottom Overlay "1" at 5211,9358 h31
J9: Mechanical 4 "1" at 3783,9800 h25 r90; Mechanical 4 "2" at 3783,9700 h25 r90; Mechanical 4 "3" at 3783,9600 h25 r90; Mechanical 4 "4" at 3783,9500 h25 r90
J10: Mechanical 4 "1" at 3784,10246 h25 r90; Mechanical 4 "2" at 3784,10146 h25 r90; Mechanical 4 "3" at 3784,10046 h25 r90; Mechanical 4 "4" at 3784,9946 h25 r90
J11: Mechanical 4 "1" at 4711,10987 h25; Mechanical 4 "2" at 4611,10987 h25
J12: Mechanical 4 "1" at 6032,10978 h25 r90; Mechanical 4 "2" at 6032,10878 h25 r90; Mechanical 4 "3" at 6032,10778 h25 r90; Mechanical 4 "4" at 6032,10678 h25 r90
J13: Mechanical 4 "4" at 5332,10678 h25 r90; Mechanical 4 "3" at 5332,10778 h25 r90; Mechanical 4 "2" at 5332,10878 h25 r90; Mechanical 4 "1" at 5332,10978 h25 r90
J14: Mechanical 4 "1" at 4311,10987 h25; Mechanical 4 "2" at 4211,10987 h25
J15: Mechanical 4 "9" at 4401,10897 h25 r90; Mechanical 4 "8" at 4301,10797 h25 r90; Mechanical 4 "7" at 4301,10897 h25 r90; Mechanical 4 "6" at 4201,10797 h25 r90; Mechanical 4 "5" at 4201,10897 h25 r90; Mechanical 4 "4" at 4101,10797 h25 r90; Mechanical 4 "3" at 4101,10897 h25 r90; Mechanical 4 "2" at 4001,10797 h25 r90; Mechanical 4 "16" at 4701,10807 h25 r90; Mechanical 4 "15" at 4701,10907 h25 r90; Mechanical 4 "14" at 4601,10807 h25 r90; Mechanical 4 "13" at 4601,10907 h25 r90; Mechanical 4 "12" at 4501,10807 h25 r90; Mechanical 4 "11" at 4501,10907 h25 r90; Mechanical 4 "10" at 4401,10807 h25 r90; Mechanical 4 "1" at 4001,10897 h25 r90; Bottom Overlay "1" at 3915,10773 h20 r270; Bottom Overlay "9" at 3918,10843 h20 r270